# Allegro board 6089-119-RevB_08.brd (continued)
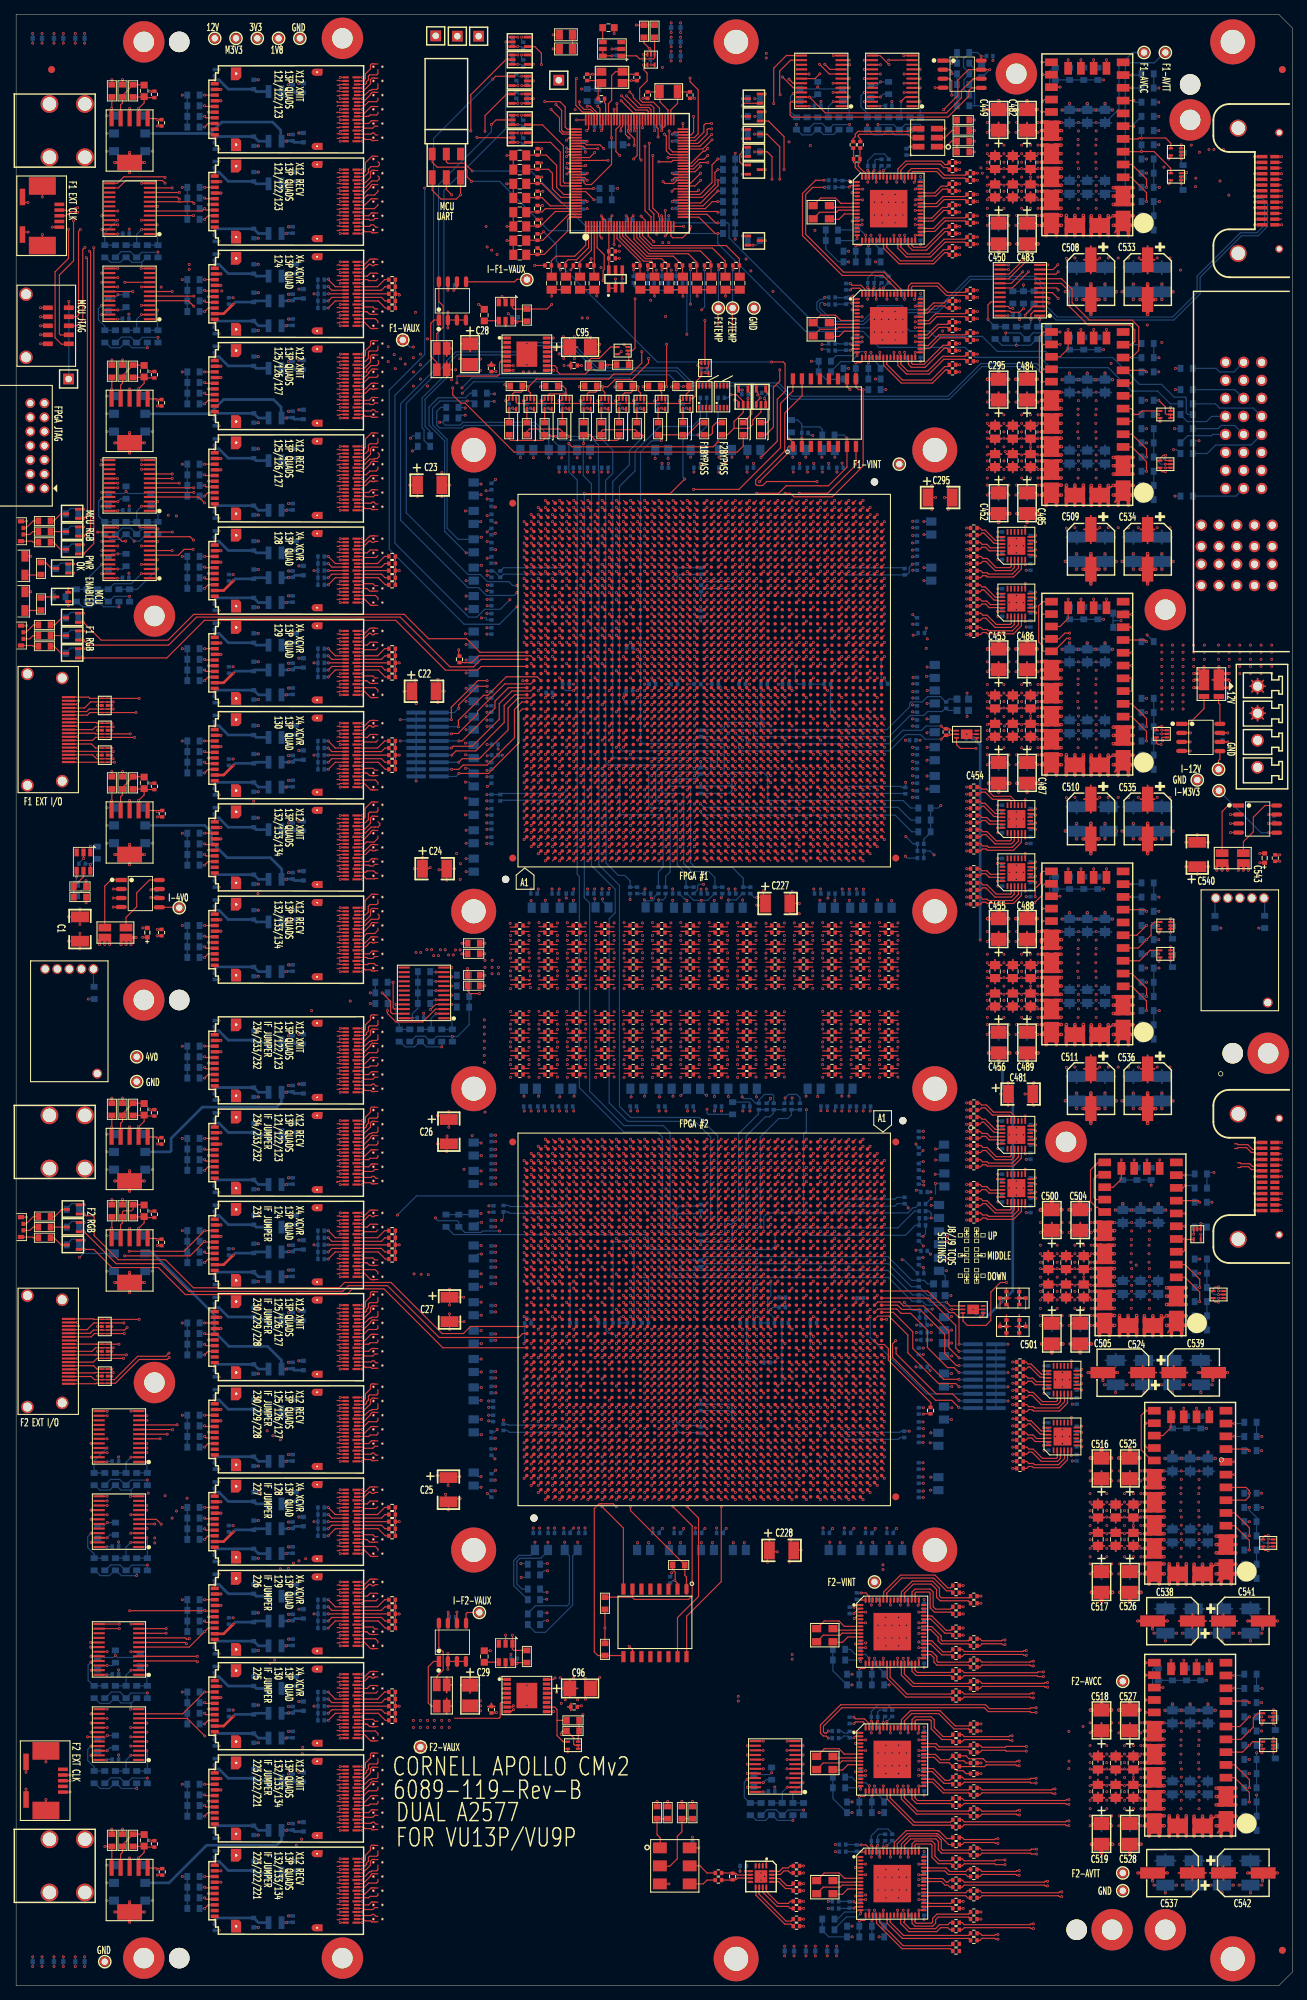
[diagram p0: board, top side]
## Routing (per net, layer and track width the routed paths; a pad name or vN(x,y) marks a point on that pad's centre or on a via; arc(x,y) is an arc through that point) (continued)
PF2_P_RECV3: length 21.6
  TOP w0.165: U77.BA2 81.61,118.29 ; C108.1 83.59,136.04 84.3,136.04
  SIG2 w0.083: 81.61,118.29 81.61,118.6 arc(81.63,118.66) 81.69,118.69 81.77,118.69 arc(82.04,118.8) 82.15,119.06 82.15,124.54 arc(82.15,124.58) 82.16,124.62 arc(82.18,124.69) 82.21,124.76 arc(82.28,125.03) 82.31,125.3 82.31,135.57 arc(82.51,136.06) 83,136.27 84.04,136.27 arc(84.07,136.26) 84.1,136.24 84.3,136.04
PF2_P_XMIT0: length 32.8
  TOP w0.165: U77.AV9 84.61,111.29 ; 84.3,141.09 83.64,141.09 C106.2
  SIG1 w0.083: 84.3,141.1 84.3,141.09 84.18,141.21 arc(84.11,141.26) 84.03,141.28 83.98,141.27 arc(83.96,141.26) 83.94,141.25 83.9,141.21 arc(83.86,141.15) 83.85,141.08 83.85,140.59 arc(83.89,140.41) 83.99,140.26 84.94,139.31 arc(85.17,138.97) 85.25,138.56 85.25,112.15 85.26,112.14 85.26,112.05 arc(85.16,111.8) 84.91,111.7 84.83,111.7 arc(84.67,111.64) 84.61,111.48 84.61,111.29
PF2_P_XMIT1: length 33.5
  TOP w0.165: U77.AW7 83.61,113.29 ; C104.2 83.6,143.55 84.3,143.55
  SIG1 w0.083: 84.3,143.55 84.28,143.57 arc(84.08,143.7) 83.85,143.75 83.64,143.75 arc(83.56,143.73) 83.5,143.69 83.43,143.62 arc(83.41,143.6) 83.41,143.57 83.41,139.06 arc(83.45,138.86) 83.56,138.69 83.64,138.61 arc(83.79,138.38) 83.85,138.1 83.85,127.88 arc(83.88,127.76) 83.95,127.65 84.18,127.42 84.2,127.36 arc(84.25,127.22) 84.26,127.07 84.26,125.49 84.25,125.49 84.25,125.2 84.26,125.2 84.26,114.05 arc(84.16,113.8) 83.91,113.7 83.83,113.7 arc(83.67,113.64) 83.61,113.48 83.61,113.29
PF2_P_XMIT2: length 38.3
  TOP w0.165: U77.AY9 82.61,111.29 ; C102.2 83.64,146.09 84.3,146.09
  SIG1 w0.083: 82.61,111.29 82.61,111.48 arc(82.67,111.64) 82.83,111.7 82.91,111.7 arc(83.16,111.8) 83.26,112.05 83.26,123.12 83.25,123.12 83.25,123.41 83.26,123.41 83.26,126.43 arc(83.21,126.67) 83.08,126.87 83.02,126.92 arc(82.97,127) 82.95,127.1 82.95,138.03 82.89,138.25 82.85,138.41 82.85,145.71 arc(82.89,145.92) 82.99,146.1 arc(83.02,146.13) 83.06,146.16 arc(83.21,146.24) 83.39,146.29 arc(83.43,146.3) 83.47,146.3 83.9,146.3 arc(84.07,146.27) 84.22,146.17 84.3,146.09
PF2_P_XMIT3: length 39.3
  TOP w0.165: C100.2 83.59,148.54 84.3,148.54 ; U77.BA7 81.61,113.29
  SIG1 w0.083: 84.3,148.54 84.22,148.62 arc(84.08,148.72) 83.9,148.75 82.62,148.75 arc(82.51,148.73) 82.41,148.66 arc(82.33,148.55) 82.27,148.42 arc(82.26,148.38) 82.26,148.34 82.26,114.05 arc(82.16,113.8) 81.91,113.7 81.83,113.7 arc(81.67,113.64) 81.61,113.48 81.61,113.29
PF2_TCDS_CROSS_RECV_A: length 115
  TOP w0.165: C237.1 111.65,149.2 112.3,149.2 ; U77.BH34 74.61,85.51
  SIG2 w0.083: 74.61,85.51 74.61,85.2 arc(74.63,85.14) 74.69,85.11 74.77,85.11 arc(74.93,85.18) 74.99,85.33 74.99,85.65 arc(74.92,85.82) 74.75,85.89 70.26,85.89 arc(69.99,85.95) 69.75,86.1 69.49,86.36 arc(69.34,86.59) 69.29,86.85 69.29,107.58 arc(69.17,108.16) 68.84,108.66 67.98,109.52 arc(67.29,110.56) 67.04,111.78 67.04,136.49 arc(67.21,137.33) 67.68,138.03 68.65,139 arc(69.43,139.52) 70.34,139.7 109.32,139.7 arc(109.63,139.76) 109.88,139.93 109.96,140.01 arc(110.06,140.16) 110.1,140.34 110.1,148.07 arc(110.36,148.71) 111,148.97 112.04,148.97 arc(112.07,148.98) 112.1,149 112.3,149.2
PF2_TCDS_CROSS_RECV_B: length 79
  TOP w0.165: 112.3,141.75 111.6,141.75 C243.1 ; U77.BH18 74.61,102.29
  SIG2 w0.083: 74.61,102.29 74.61,102.49 arc(74.56,102.6) 74.45,102.65 74.35,102.65 arc(74.1,102.75) 74,103 74,104.4 arc(74.15,104.75) 74.5,104.9 76.8,104.9 arc(76.94,104.96) 77,105.1 77,112.4 arc(77.15,112.75) 77.5,112.9 111.59,112.9 arc(111.76,112.97) 111.84,113.15 111.84,119.44 arc(111.85,119.56) 111.89,119.66 arc(111.93,119.77) 111.94,119.89 111.94,139.54 arc(111.91,139.7) 111.82,139.84 111.78,139.88 arc(111.67,140.03) 111.63,140.22 111.63,141.23 arc(111.7,141.42) 111.88,141.52 arc(111.92,141.52) 111.96,141.52 112.04,141.52 arc(112.07,141.53) 112.1,141.55 112.3,141.75
PF2_TCDS_CROSS_XMIT_A: length 116
  TOP w0.165: U77.BG37 75.61,82.51 ; C240.1 111.64,146.09 112.3,146.09
  SIG2 w0.083: 75.61,82.51 75.61,82.2 arc(75.58,82.14) 75.53,82.11 75.44,82.11 arc(75.31,82.17) 75.26,82.3 75.26,83.7 arc(75.33,83.87) 75.5,83.94 75.7,83.94 arc(76.06,84.09) 76.21,84.45 76.21,86.7 arc(76.09,86.99) 75.8,87.11 70.85,87.11 arc(70.4,87.3) 70.21,87.75 70.21,108.12 arc(70.05,108.92) 69.6,109.6 68.84,110.35 arc(68.37,111.06) 68.21,111.89 68.21,136.34 arc(68.31,136.87) 68.61,137.32 69.36,138.06 69.36,138.06 arc(70.01,138.5) 70.77,138.65 104.18,138.65 104.33,138.5 104.66,138.5 104.81,138.65 105.14,138.65 105.29,138.5 105.62,138.5 105.77,138.65 106.1,138.65 106.25,138.5 106.58,138.5 106.73,138.65 107.06,138.65 107.21,138.5 107.54,138.5 107.69,138.65 108.02,138.65 108.17,138.5 108.5,138.5 108.65,138.65 109.47,138.65 arc(109.96,138.75) 110.38,139.03 110.38,139.03 arc(110.73,139.55) 110.85,140.17 110.85,145.92 arc(110.97,146.2) 111.25,146.32 112.04,146.32 arc(112.07,146.31) 112.1,146.29 112.3,146.09
PF2_TCDS_CROSS_XMIT_B: length 77
  TOP w0.165: 112.3,144.21 111.64,144.21 C241.1 ; U77.BG15 75.61,105.29
  SIG2 w0.083: 75.61,105.29 75.61,105.54 arc(75.56,105.65) 75.45,105.7 arc(75.13,105.83) 75,106.15 75,113.41 arc(75.15,113.76) 75.5,113.91 110.56,113.91 arc(110.69,113.97) 110.75,114.1 110.75,137.91 arc(110.84,138.36) 111.09,138.74 111.11,138.75 arc(111.17,138.85) 111.19,138.95 111.19,143.22 arc(111.42,143.76) 111.96,143.99 112.04,143.99 arc(112.07,143.99) 112.1,144.01 112.3,144.21
PF2_TEST_CONN_0: length 77.3
  TOP w0.165: v1(21.59,88.54) 21.3,88.25 17.35,88.25 14,84.9 U8.6 U8.5 11.3,84.9 11.23,84.83 J6.1 ; U77.BD28 v1(78.61,91.51)
  PWR3 w0.152: v1(78.61,91.51) 78.1,91 70.6,91 68.65,89.05 63.25,89.05 59.45,85.25 25.65,85.25 22.36,88.54 v1(21.59,88.54)
PF2_TEST_CONN_1: length 92.1
  TOP w0.165: U77.AW31 v1(83.61,88.51) ; J6.4 11.05,86.35 11.1,86.4 U8.2 U8.9 v1(13.69,86.4)
  PWR3 w0.152: v1(83.61,88.51) 84.1,88.02 84.1,85.2 83.9,85 63.9,85 51.3,72.4 27.35,72.4 19.85,79.9 19.85,80.24 v1(13.69,86.4)
PF2_TEST_CONN_2: length 93.3
  TOP w0.165: U77.AV29 v1(84.61,90.51) ; J6.7 10.88,87.88 11.4,88.4 U7.5 U7.6 v1(15.15,88.4)
  PWR3 w0.152: v1(15.15,88.4) 15.15,88.73 15.14,88.73 15.14,89.07 15.15,89.07 15.15,90.7 14.35,91.5 14.35,95.48 17.12,98.25 43.51,98.25 44.21,98.95 52.55,98.95 56,95.5 67.41,95.5 67.44,95.47 67.76,95.47 67.79,95.5 69.05,95.5 69.75,94.8 83.95,94.8 84.1,94.65 84.1,91.02 v1(84.61,90.51)
PF2_TEST_CONN_3: length 103.5
  TOP w0.165: v1(13.69,89.9) U7.9 U7.2 11.2,89.9 10.7,89.4 J6.10 ; U77.AU31 v1(85.61,88.51)
  PWR3 w0.152: v1(13.69,89.9) 13.69,89.75 13.88,89.56 13.88,88.53 12.3,86.95 12.3,83.45 24.38,71.37 28.43,71.37 28.45,71.38 28.77,71.38 28.78,71.37 31.41,71.37 31.48,71.3 42.12,71.3 42.15,71.32 42.72,71.32 42.75,71.3 52.4,71.3 64.1,83 85.75,83 86.1,83.35 86.1,88.02 v1(85.61,88.51)
PF2_TEST_CONN_4: length 83.2
  TOP w0.165: J6.14 10.58,91.43 11.05,91.9 U6.5 U6.6 v1(15.25,91.9) ; U77.AY30 v1(82.61,89.51)
  PWR3 w0.152: v1(82.61,89.51) 82.1,89 82.1,87.25 81.85,87 63.95,87 60.15,83.2 50.15,83.2 48.95,84.4 24.1,84.4 16.65,91.85 15.3,91.85 v1(15.25,91.9)
PF2F1_SPARE0: length 218.4
  TOP w0.165: U77.E30 v1(118.39,89.51) ; U75.BG29 v1(118.39,187.29)
  SIG1 w0.083: v1(118.39,187.29) 118.7,187.29 118.79,187.37 118.79,189.47 118.56,189.69 68.54,189.69 64.96,186.11 64.96,165.36 56.77,157.17 56.77,145.87 v1(57.03,145.6)
  SIG4 w0.083: v1(118.39,89.51) 118.7,89.51 118.79,89.43 118.79,89.31 118.58,89.1 68.05,89.1 63.86,93.29 63.86,115.12 arc(63.84,115.23) 63.77,115.33 54.15,124.95 54.15,143.2 55.55,144.6 56.54,144.6 57.03,145.1 v1(57.03,145.6)
PF2F1_SPARE1: length 199.8
  TOP w0.165: U75.BF29 v1(117.39,187.29) ; U77.D28 v1(119.39,91.51)
  SIG1 w0.083: v1(61.63,145.25) 61.4,145.48 61.4,153.55 70.01,162.16 70.01,184.47 71.25,185.71 74.85,185.71 74.89,185.75 74.9,185.75 75.2,186.05 75.2,187.45 75.45,187.7 116.95,187.7 117.36,187.29 v1(117.39,187.29)
  SIG4 w0.083: v1(119.39,91.51) 119.39,91.2 119.31,91.11 119.19,91.11 119.02,91.29 119.02,94.48 118.97,94.52 118.97,94.53 118.63,94.87 77.42,94.87 77.21,95.09 77.21,95.5 76.79,95.92 71.33,95.92 69.21,98.04 69.21,119.39 67,121.6 67,139.15 61.4,144.75 61.4,145.02 v1(61.63,145.25)
PF2F1_SPARE2: length 199.5
  TOP w0.165: U77.C29 v1(120.39,90.51) ; U75.BG26 v1(118.39,184.29)
  SIG1 w0.083: v1(62.59,145.95) 62.36,146.18 62.36,152.76 70.96,161.36 70.96,184.31 71.33,184.69 118.31,184.69 118.39,184.6 v1(118.39,184.29)
  SIG4 w0.083: v1(62.59,145.95) 62.36,145.72 62.36,145.29 62.6,145.05 62.79,145.05 68.2,139.65 68.2,121.7 70.2,119.7 70.2,98.1 71.38,96.92 77.76,96.92 77.84,96.85 77.84,96.85 78.16,96.52 78.16,96.52 78.2,96.48 78.2,96.1 78.39,95.91 119.59,95.91 119.63,95.87 119.63,95.87 119.97,95.53 119.97,95.53 120.01,95.49 120.01,90.3 120.19,90.11 120.31,90.11 120.39,90.2 v1(120.39,90.51)
PG_1V8: length 182.5
  TOP w0.165: U68.32 v1(94.1,247.9)
  SIG1 w0.079: v1(94.1,247.9) 94.45,247.9 103.08,256.53 133.16,256.53 133.23,256.6 146.3,256.6 149.54,253.36 149.72,253.36 149.88,253.19 149.89,253.19 150.09,252.99 150.09,252.98 152.28,250.79 153.74,250.79 155.7,248.84 155.7,238.99 155.56,238.84 155.56,238.56 155.7,238.41 155.7,200.99 155.56,200.84 155.56,200.56 155.7,200.41 155.7,193 156.1,192.6 156.1,167.15 156.7,166.55 156.7,149.5 160.73,145.47 160.73,145.26 160.76,145.23 160.76,143.74 v1(161.1,143.4)
  BOTTOM w0.165: R241.2 R240.1 R239.2 v1(161.1,143.4)
PG_3V3: length 190.3
  TOP w0.165: v1(95.05,247.9) 95.05,247.4 93.95,246.3 92.55,246.3 92.3,246.55 U68.31
  SIG1 w0.079: v1(161.15,137.4) 160.35,137.4 155.85,141.9 155.85,149.6 154.35,151.1 154.35,171 155.1,171.75 155.1,199 154.7,199.4 154.7,209.35 155.1,209.75 155.1,237.7 154.7,238.1 154.7,246.75 150.09,251.36 150.09,251.79 147.84,254.04 147.41,254.04 145.95,255.5 136.65,255.5 136.37,255.78 134.33,255.78 134.05,255.5 127.1,255.5 126.65,255.05 103.5,255.05 96.35,247.9 v1(95.05,247.9)
  BOTTOM w0.165: R244.2 R243.1 R242.2 v1(161.15,137.4)
PG_4V0: length 163.2
  TOP w0.165: U2.1 v1(10.47,160.56) ; v1(88.1,249.35) 88.7,248.75 U68.22
  SIG1 w0.079: v1(33.5,166.9) 32.4,168 32.4,240.15 39.1,246.85 42.7,246.85 43.56,245.99 44.79,245.99 45.31,246.5 64.85,246.5 v1(66.25,247.9)
  SIG3 w0.079: v1(33.5,166.9) 18.5,166.9 13.55,161.95 11.86,161.95 v1(10.47,160.56) ; v1(88.1,249.35) 87.1,248.35 66.7,248.35 v1(66.25,247.9)
  BOTTOM w0.165: v1(10.47,160.56) 10.51,160.51 R674.1
PG_F1_AVCC: length 74.7
  TOP w0.165: U68.44 95.7,253.6 v1(96.5,254.4)
  SIG3 w0.079: v1(96.5,254.4) 97.1,253.8 107.9,253.8 109.7,252 119.15,252 119.16,252.01 119.47,252.01 119.48,252 132.65,252 134.7,249.95 159.7,249.95 v1(161.15,251.4)
  BOTTOM w0.165: v1(161.15,251.4) R212.2 R213.1 R214.2
PG_F1_AVTT: length 74.4
  TOP w0.165: U68.45 95.1,254 v1(96.5,255.4)
  SIG3 w0.079: v1(161.15,253.4) 160.3,252.55 152.44,252.55 152.09,252.2 136.7,252.2 135.6,253.3 133.08,253.3 132.83,253.55 118.05,253.55 117.7,253.9 112.3,253.9 112.1,254.1 99.15,254.1 99.08,254.03 98.77,254.03 98.7,254.1 97.8,254.1 v1(96.5,255.4)
  BOTTOM w0.165: v1(161.15,253.4) R211.2 R210.1 R209.2
PG_F1_INT_A: length 134.1
  TOP w0.165: v1(161.5,177.47) 161.5,177.43 160.98,177.43 160.76,177.21 U110.4 ; v1(96.2,253) 96,252.8 U68.42
  SIG1 w0.079: v1(159.45,234) 159,233.55 159,227.58 158.98,227.55 158.98,227.25 159,227.22 159,221.58 158.98,221.55 158.98,221.25 159,221.22 159,215.58 158.98,215.55 158.98,215.25 159,215.22 159,213.58 158.98,213.55 158.98,213.25 159,213.22 159,189.58 158.98,189.55 158.98,189.25 159,189.22 159,179.2 160.73,177.47 v1(161.5,177.47)
  SIG3 w0.079: v1(96.2,253) 97.9,253 106.16,244.74 128.21,244.74 132.25,240.7 154.85,240.7 157.61,237.94 157.63,237.94 157.83,237.74 157.83,237.72 158.75,236.8 158.75,234.7 v1(159.45,234)
PG_F1_INT_A1: length 6.7
  TOP w0.165: U110.1 161.5,175.9 161.5,175.61 161.52,175.59 161.66,175.59 161.66,175.42 v1(161.58,175.42)
  BOTTOM w0.165: v1(161.58,175.42) 161.56,175.4 R230.2 R231.1 R232.2
PG_F1_INT_A2: length 6.7
  TOP w0.165: U110.2 v1(161.5,176.4)
  BOTTOM w0.165: v1(161.5,176.4) 160.7,176.4 160.36,176.74 R229.2 R228.1 R227.2
PG_F1_INT_B: length 96.9
  TOP w0.165: U68.43 92.8,253.2 v1(92.45,252.85) ; U112.4 161.26,215.21 161.69,215.64 v1(162.02,215.64)
  SIG1 w0.079: v1(161.5,231.55) 161.5,230.17 161.7,229.97 161.7,215.96 v1(162.02,215.64)
  SIG3 w0.079: v1(161.5,231.55) 161.05,231.55 152.46,240.14 131.36,240.14 127.45,244.05 105.92,244.05 99.47,250.5 94.9,250.5 92.55,252.85 v1(92.45,252.85)
PG_F1_INT_B1: length 6.6
  TOP w0.165: v1(162,213.87) 162,213.9 U112.1
  BOTTOM w0.165: v1(162,213.87) 162,213.9 160.86,213.9 R223.2 R224.1 R225.2
PG_F1_INT_B2: length 6.8
  TOP w0.165: U112.2 v1(162,214.4)
  BOTTOM w0.165: v1(162,214.4) 161.36,214.4 R222.2 R221.1 R220.2
PG_F1_VCCAUX: length 41.4
  TOP w0.165: v1(75.5,236.9) 74.86,236.26 R82.1 70.14,236.26 69.95,236.45 69.95,237.18 U47.1 ; U68.46 93.15,254.4 92.7,253.95 91.45,253.95 v1(91.2,254.2)
  SIG3 w0.079: v1(89.45,237.5) 88.85,236.9 v1(75.5,236.9)
  SIG4 w0.079: v1(89.45,237.5) 89.45,252.45 v1(91.2,254.2)
PG_F2_AVCC: length 324.4
  TOP w0.165: U68.59 96.1,259.6 97.4,260.9 97.4,261.55 97.5,261.65 v1(98.05,261.65)
  PWR4 w0.152: v1(174.86,26.89) 174.86,27.64 170.7,31.8 170.7,58.35 169.53,59.52 169.53,59.56 169.31,59.78 169.27,59.78 164.95,64.1 164.95,76.45 159.75,81.65 159.75,94.6 159,95.35 159,116.21 158.99,116.21 158.99,116.55 159,116.55 159,132.5 158.7,132.8 158.7,159.4 156.75,161.35 156.75,162.95 155.95,163.75 155.95,188.5 155.37,189.08 155.37,192.51 155.5,192.64 155.5,202.05 160.05,206.6 160.05,209.15 163.95,213.05 163.95,240.3 165.7,242.05 165.7,259.3 v1(165.65,259.35)
  SIG3 w0.079: v1(165.65,259.35) 165.05,259.95 155,259.95 152.9,262.05 129.65,262.05 129.3,261.7 108.7,261.7 108.25,262.15 98.55,262.15 v1(98.05,261.65)
  BOTTOM w0.165: R171.2 R170.1 R169.2 v1(174.86,26.89)
PG_F2_AVTT: length 320.3
  TOP w0.165: v1(98.05,262.4) 97.2,262.4 96.95,262.15 96.95,261.2 95.75,260 U68.60
  PWR4 w0.152: v1(166.8,258.35) 167.33,257.82 167.33,241.33 164.8,238.8 164.8,213.05 160.9,209.15 160.9,206.3 156.85,202.25 156.85,193.39 156.85,193.39 156.85,193.06 156.85,193.06 156.85,191.59 156.85,191.59 156.85,191.26 156.85,191.26 156.85,187.99 156.85,187.99 156.85,187.66 156.85,187.66 156.85,186.19 156.85,186.19 156.85,185.86 156.85,185.86 156.85,184.39 156.85,184.39 156.85,184.06 156.85,184.06 156.85,171.6 160.3,168.15 160.3,161.79 160.27,161.76 160.27,161.44 160.3,161.41 160.3,123.79 160.27,123.76 160.27,123.44 160.3,123.41 160.3,113.04 160.38,112.96 160.38,112.64 160.3,112.56 160.3,101.15 163.45,98 163.45,79.55 167.25,75.75 167.25,63.55 173.1,57.7 173.1,33.55 173.82,32.84 v1(174.86,32.84)
  SIG3 w0.079: v1(98.05,262.4) 98.65,263 134.49,263 134.79,263.3 152.95,263.3 155.55,260.7 158.79,260.7 159.14,260.35 165.3,260.35 166.8,258.85 v1(166.8,258.35)
  BOTTOM w0.165: R168.2 R167.1 R166.2 v1(174.86,32.84)
PG_F2_INT_A: length 278.9
  TOP w0.165: v1(176.5,63.47) 176.5,63.43 175.98,63.43 175.76,63.21 U124.4 ; v1(98.1,260.1) 96.8,258.8 U68.57
  PWR4 w0.152: v1(170.95,252.3) 170.75,252.1 170.75,238.75 168.7,236.7 168.7,210.9 165.2,207.4 165.2,179.25 168.3,176.15 168.3,161.8 168.99,161.11 168.99,158.04 168.19,157.24 168.19,149.21 169.6,147.8 169.6,105.04 176.5,98.14 v1(176.5,63.47)
  SIG3 w0.079: v1(170.95,252.3) 165.15,258.1 153.2,258.1 152.55,258.75 113.55,258.75 112,260.3 103.75,260.3 103.45,260.6 102,260.6 101.5,260.1 v1(98.1,260.1)
PG_F2_INT_A1: length 6.6
  TOP w0.165: v1(176.5,61.87) 176.5,61.9 U124.1
  BOTTOM w0.165: v1(176.5,61.87) 176.5,61.9 175.36,61.9 R157.2 R158.1 R159.2
PG_F2_INT_A2: length 7.9
  TOP w0.165: U124.2 v1(176.5,62.4)
  BOTTOM w0.165: R154.2 v1(173.85,67.4) 173.85,67.4 173.85,67 174.86,65.99 R155.1 R156.2 175.86,62.4 v1(176.5,62.4)
PG_F2_INT_B: length 244.7
  TOP w0.165: U68.58 96.4,259.2 v1(98.05,260.85) ; v1(169.5,98.47) 169.5,98.43 168.98,98.43 168.76,98.21 U121.4
  PWR4 w0.152: v1(169.7,254.3) 169.7,240.55 167.35,238.2 167.35,212.05 163.8,208.5 163.8,199.35 159.83,195.38 159.83,174.62 165.6,168.85 165.6,108 169.5,104.1 v1(169.5,98.47)
  SIG3 w0.079: v1(169.7,254.3) 165.1,258.9 154.65,258.9 152.74,260.81 106.69,260.81 106,261.5 103.85,261.5 103.53,261.18 102.29,261.18 101.96,260.85 v1(98.05,260.85)
PG_F2_INT_B1: length 6.6
  TOP w0.165: v1(169.5,96.87) 169.5,96.9 U121.1
  BOTTOM w0.165: v1(169.5,96.87) 169.5,96.9 168.36,96.9 R180.2 R181.1 R182.2
PG_F2_INT_B2: length 6.8
  TOP w0.165: U121.2 v1(169.5,97.4)
  BOTTOM w0.165: v1(169.5,97.4) 168.86,97.4 R179.2 R178.1 R177.2
PG_F2_VCCAUX: length 339.2
  TOP w0.165: v1(69.97,49.4) U48.1 69.95,48.18 69.95,47.45 70.14,47.26 R84.1 ; U68.61 95.6,260.4 96.15,260.95 96.15,267.15 95,268.3 v1(95,268.8)
  PWR3 w0.152: v1(36.45,45.9) 51.75,45.9 54.7,48.85 69.45,48.85 69.9,49.3 69.97,49.3 v1(69.97,49.4)
  PWR4 w0.152: v1(36.45,45.9) 36.45,48.8 27.55,57.7 27.55,258.85 29.1,260.4 42.45,260.4 43.9,258.95 44.81,258.95 45.31,259.45 52.2,259.45 58.7,265.95 71.21,265.95 71.57,266.31 83.36,266.31 85.85,268.8 86.56,268.8 86.59,268.83 86.91,268.83 86.94,268.8 v1(95,268.8)
PMGT_F1_TO_SM_1: length 122.5
  TOP w0.165: P2.9 178.38,254.53 ; U75.BH13 119.39,170.51
  SIG2 w0.083: 178.38,254.53 178.11,254.25 arc(178.09,254.24) 178.05,254.23 177.8,254.23 arc(177.23,253.99) 176.99,253.42 176.99,248.18 arc(176.95,248) 176.85,247.85 176.08,247.08 arc(175.84,246.92) 175.55,246.86 171.08,246.86 arc(170.05,246.66) 169.18,246.07 169,245.9 arc(168.41,245.01) 168.2,243.97 168.2,241.13 arc(167.86,239.44) 166.91,238 153.97,225.07 arc(153.47,224.32) 153.3,223.45 153.3,209.12 arc(153.2,208.64) 152.93,208.23 143.77,199.07 143.77,199.07 arc(142.86,198.46) 141.79,198.25 139.95,198.25 arc(139.03,198.07) 138.25,197.55 138.25,197.54 136.46,195.76 arc(135.57,195.17) 134.52,194.96 133.96,194.96 arc(133.64,194.89) 133.36,194.71 arc(132.95,194.09) 132.8,193.36 132.8,174.65 arc(132.64,173.86) 132.2,173.2 129.41,170.41 arc(129.09,170.19) 128.7,170.12 128.26,170.12 128.25,170.12 125.16,170.12 125.15,170.11 119.47,170.11 arc(119.42,170.14) 119.39,170.2 119.39,170.51
PMGT_F1_TO_SM_2: length 120.2
  TOP w0.165: U75.BF13 117.39,170.51 ; P2.10 174.58,254.53
  SIG2 w0.083: 174.58,254.53 174.58,254.31 174.49,254.23 174.35,254.23 arc(173.92,254.14) 173.55,253.9 163,243.34 163,243.31 162.79,243.1 162.76,243.1 160.96,241.3 arc(160.32,240.35) 160.1,239.24 160.1,239.21 arc(159.9,238.18) 159.32,237.32 153.09,231.09 153.07,231.09 152.74,230.77 152.74,230.74 146.99,224.99 arc(146.59,224.39) 146.45,223.69 146.45,223.15 arc(146.29,222.36) 145.84,221.69 arc(144.92,221.08) 143.84,220.86 139.34,220.86 arc(138.8,220.75) 138.35,220.45 138.17,220.27 arc(137.74,219.63) 137.59,218.87 137.59,202.07 arc(137.46,201.4) 137.08,200.83 135.95,199.7 arc(135.13,199.15) 134.16,198.96 133.76,198.96 133.76,198.95 132.97,198.95 arc(131.66,198.69) 130.54,197.94 130.34,197.74 arc(129.5,196.48) 129.2,194.99 129.2,175.44 arc(129.02,174.53) 128.5,173.75 127.22,172.47 arc(126.88,172.24) 126.47,172.16 118.36,172.16 arc(118.09,172.1) 117.85,171.95 arc(117.77,171.82) 117.74,171.68 117.74,170.3 arc(117.69,170.17) 117.56,170.11 117.47,170.11 arc(117.42,170.14) 117.39,170.2 117.39,170.51
PMGT_F2_TO_SM_1: length 128.2
  TOP w0.165: U77.BH13 74.61,107.29 ; P3.9 178.38,115.62
  SIG3 w0.083: 178.38,115.62 178.19,115.43 arc(178.05,115.34) 177.9,115.31 174.42,115.31 arc(173.95,115.22) 173.55,114.95 173.32,114.72 arc(172.37,114.08) 171.25,113.86 163.45,113.86 163.31,114 162.98,114 162.84,113.86 162.51,113.86 162.37,114 162.04,114 161.9,113.86 161.57,113.86 161.43,114 161.1,114 160.96,113.86 160.63,113.86 160.49,114 160.16,114 160.02,113.86 159.69,113.86 159.55,114 159.22,114 159.08,113.86 158.75,113.86 158.61,114 158.28,114 158.14,113.86 155.83,113.86 arc(154.2,113.53) 152.81,112.61 148.88,108.67 arc(148.53,108.44) 148.12,108.36 148.06,108.36 arc(147.52,108.25) 147.06,107.94 136.21,97.09 arc(134.94,96.24) 133.43,95.95 73.45,95.95 arc(73.28,96.02) 73.21,96.19 73.21,107.45 arc(73.28,107.62) 73.45,107.69 74.53,107.69 arc(74.58,107.66) 74.61,107.6 74.61,107.29 74.6,107.3
PMGT_F2_TO_SM_2: length 123.7
  TOP w0.165: P3.10 174.72,115.62 174.53,115.43 174.3,115.43 173.9,115.83 172.67,115.83 172.55,115.95 172.21,115.95 ; U77.BF13 76.61,107.29
  SIG3 w0.083: 76.61,107.29 76.61,107.38 arc(76.52,107.6) 76.3,107.69 75.45,107.69 arc(75.28,107.62) 75.21,107.45 75.21,106.05 arc(75.1,105.8) 74.85,105.69 74.4,105.69 arc(74.27,105.63) 74.21,105.5 74.21,97.1 arc(74.27,96.97) 74.4,96.91 122.75,96.91 132.84,96.91 arc(134.11,97.16) 135.18,97.88 144.5,107.2 144.54,107.2 144.75,107.41 144.75,107.45 146.85,109.55 146.85,109.59 147.18,109.92 147.22,109.92 152.47,115.17 arc(153.09,115.58) 153.81,115.73 162.09,115.73 162.22,115.85 162.55,115.85 162.67,115.73 163,115.73 163.12,115.85 163.45,115.85 163.57,115.73 163.9,115.73 164.03,115.85 164.36,115.85 164.48,115.73 164.81,115.73 164.93,115.85 165.26,115.85 165.39,115.73 165.72,115.73 165.84,115.85 166.17,115.85 166.29,115.73 166.62,115.73 166.75,115.85 167.08,115.85 167.2,115.73 167.53,115.73 167.65,115.85 167.98,115.85 168.1,115.73 171.95,115.73 arc(171.98,115.73) 172.01,115.75 172.21,115.95
PMGT_SM_TO_F1_1: length 139.5
  TOP w0.165: P2.3 178.38,256.93 ; U75.BG20 118.39,177.51
  SIG2 w0.083: 118.39,177.51 118.39,177.2 arc(118.42,177.14) 118.47,177.11 118.56,177.11 arc(118.72,177.18) 118.79,177.35 118.79,177.85 arc(118.76,177.91) 118.7,177.94 117.31,177.94 arc(117.1,177.85) 117.01,177.64 117.01,169.45 arc(117.09,169.24) 117.3,169.16 118.61,169.16 arc(118.7,169.2) 118.74,169.29 118.74,170.51 arc(118.78,170.72) 118.9,170.9 arc(119.14,171.05) 119.41,171.11 126.87,171.11 arc(127.92,171.32) 128.81,171.91 130.26,173.36 arc(130.76,174.11) 130.94,175 130.94,193.18 arc(131.2,194.48) 131.94,195.59 132.69,196.35 arc(133.48,196.87) 134.4,197.05 135.07,197.05 arc(135.84,197.2) 136.49,197.64 138.28,199.43 arc(139.03,200.56) 139.3,201.9 139.3,202.63 arc(139.56,203.94) 140.31,205.06 145.26,210.01 arc(145.81,210.83) 146,211.79 146,218.14 arc(146.1,218.66) 146.4,219.1 146.62,219.32 arc(146.99,219.56) 147.41,219.65 149.67,219.65 arc(149.88,219.69) 150.06,219.81 150.13,219.88 arc(150.28,220.11) 150.34,220.39 150.34,223.82 arc(150.42,224.21) 150.63,224.53 150.76,224.66 arc(151.24,225) 151.81,225.16 arc(152.24,225.29) 152.6,225.55 153.89,226.84 arc(153.92,226.87) 153.94,226.9 154.05,227.15 arc(154.07,227.18) 154.08,227.22 154.1,227.28 arc(154.21,227.52) 154.37,227.72 158.87,232.22 158.87,232.52 159.1,232.75 159.4,232.75 159.64,232.99 159.64,233.29 159.87,233.52 160.17,233.52 160.4,233.75 160.4,234.05 160.64,234.29 160.94,234.29 161.17,234.52 161.17,234.82 161.4,235.05 161.7,235.05 161.94,235.29 161.94,235.59 162.17,235.82 162.47,235.82 162.7,236.05 162.7,236.35 162.94,236.59 163.24,236.59 163.47,236.82 163.47,237.12 163.7,237.35 164,237.35 164.77,238.12 arc(165.98,239.93) 166.4,242.05 166.4,243.26 arc(166.73,244.91) 167.66,246.31 168.02,246.67 arc(169.17,247.44) 170.53,247.71 174.24,247.71 arc(174.86,247.83) 175.39,248.19 175.45,248.25 arc(175.93,248.96) 176.09,249.79 176.09,255.47 arc(176.43,256.29) 177.25,256.63 178.05,256.63 arc(178.09,256.64) 178.11,256.65 178.38,256.93
PMGT_SM_TO_F1_2: length 114.2
  TOP w0.165: P2.4 174.58,256.93 ; U75.BF18 117.39,175.51
  SIG2 w0.083: 117.39,175.51 117.39,175.2 arc(117.42,175.14) 117.47,175.11 122.27,175.11 arc(122.85,175.23) 123.35,175.56 124.4,176.61 arc(125.1,177.67) 125.35,178.91 125.35,192.99 arc(125.63,194.38) 126.42,195.56 132.03,201.17 arc(132.9,201.76) 133.93,201.96 133.93,201.96 arc(134.47,202.07) 134.92,202.37 135.02,202.46 arc(135.33,202.93) 135.44,203.49 135.44,220.03 arc(135.61,220.87) 136.09,221.59 139.44,224.94 arc(140.06,225.35) 140.79,225.5 144.7,225.5 arc(145.35,225.63) 145.89,225.99 146.65,226.75 arc(146.83,227.02) 146.9,227.34 arc(147,227.82) 147.27,228.22 157.54,238.49 arc(158.25,239.55) 158.5,240.81 158.5,240.89 arc(158.7,241.87) 159.26,242.71 172.58,256.03 arc(173.17,256.42) 173.86,256.56 174.21,256.56 174.58,256.93
PMGT_SM_TO_F2_1: length 116.7
  TOP w0.165: P3.3 178.38,118.03 ; U77.BG20 75.61,100.29
  SIG3 w0.083: 178.38,118.03 178.11,117.75 arc(178.09,117.74) 178.05,117.73 175.69,117.73 arc(175.13,117.62) 174.65,117.3 174.08,117.06 167.69,117.06 167.55,117.2 167.22,117.2 167.08,117.06 166.75,117.06 166.61,117.2 166.28,117.2 166.14,117.06 165.81,117.06 165.66,117.2 165.33,117.2 165.19,117.06 164.86,117.06 164.72,117.2 164.39,117.2 164.25,117.06 163.92,117.06 163.78,117.2 163.45,117.2 163.31,117.06 153.55,117.06 arc(152.68,116.89) 151.95,116.4 146.56,111.01 arc(146.41,110.8) 146.35,110.56 arc(146.31,110.45) 146.25,110.36 134.43,98.54 arc(133.72,98.07) 132.88,97.9 75.5,97.9 arc(75.32,97.97) 75.25,98.15 75.25,100.49 arc(75.31,100.63) 75.44,100.69 75.53,100.69 arc(75.58,100.66) 75.61,100.6 75.61,100.29
PMGT_SM_TO_F2_2: length 113.3
  TOP w0.165: 171.78,118.64 172.12,118.64 172.24,118.52 173.61,118.52 174.3,117.83 174.53,117.83 174.72,118.03 P3.4 ; U77.BF18 76.61,102.29
  SIG3 w0.083: 76.61,102.29 76.61,102.6 arc(76.58,102.66) 76.53,102.69 76.44,102.69 arc(76.27,102.62) 76.2,102.44 76.2,99.15 arc(76.27,98.97) 76.45,98.9 132.45,98.9 arc(132.87,98.98) 133.22,99.22 151.61,117.61 arc(152.48,118.2) 153.51,118.4 162.52,118.4 162.62,118.5 162.95,118.5 163.05,118.4 163.38,118.4 163.48,118.5 163.81,118.5 163.91,118.4 164.24,118.4 164.34,118.5 164.67,118.5 164.77,118.4 165.1,118.4 165.2,118.5 165.53,118.5 165.63,118.4 165.96,118.4 166.06,118.5 166.39,118.5 166.49,118.4 166.82,118.4 166.92,118.5 167.25,118.5 167.35,118.4 167.68,118.4 167.78,118.5 168.11,118.5 168.21,118.4 171.25,118.4 arc(171.51,118.45) 171.74,118.6 171.78,118.64
